# Altium PCB Power Management & Battery Monitor.PcbDoc (continued)
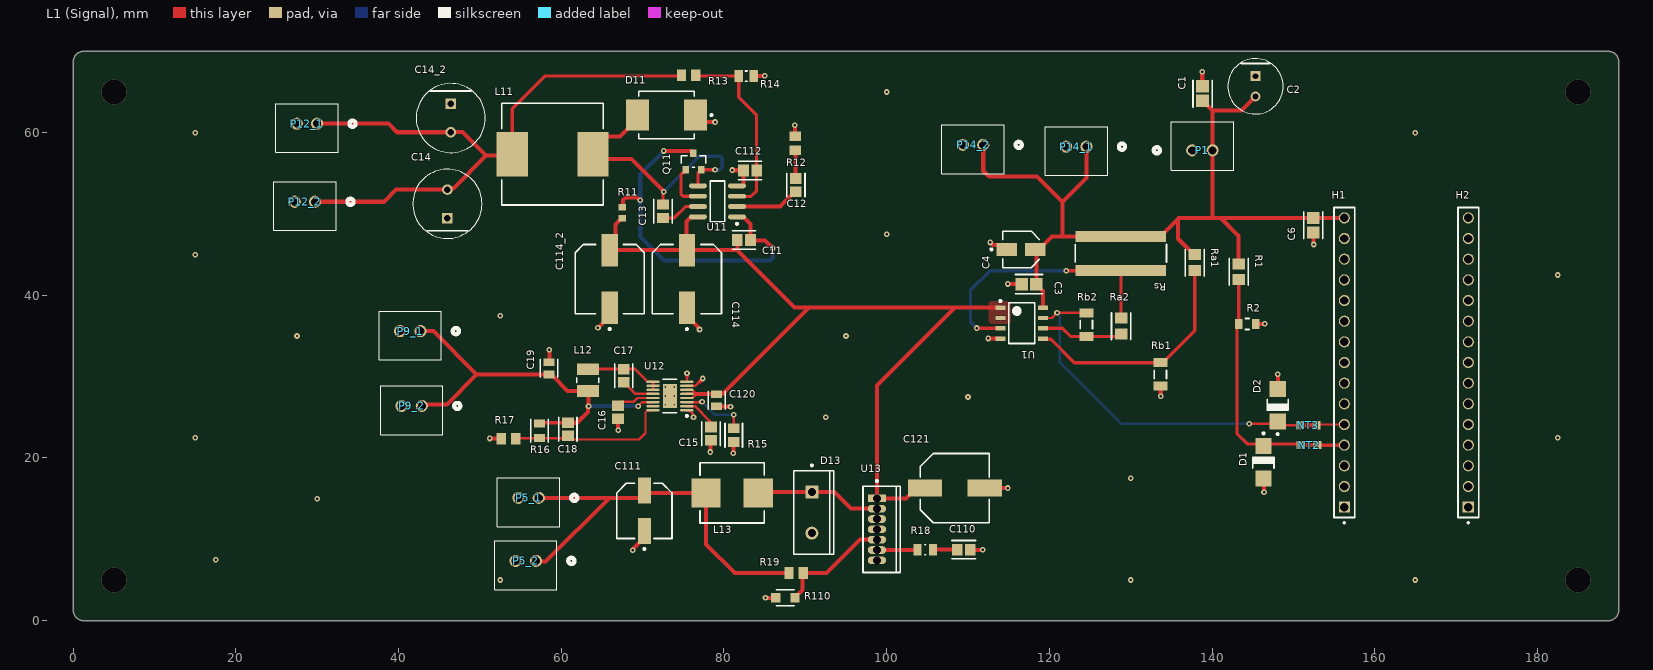
[diagram p0: L1 (Signal) view]
## Footprints (in the part's own frame and the unit in brackets; to place one, negate y for a bottom-side part, rotate by r counter-clockwise, add the part's x,y. Pads: shape width x height; smd on the part's side, far side on the other; paste and mask are expansions set on the pad) (continued)
  silkscreen extent -1.45,-1.13 1.45,1.13, body extent -1.7,-0.98 1.7,0.98, height 0.25
FP-PCC-M0754M-MFG [mm]
  rect 3.6x3.6 smd paste+0 mask+0: 1(-3.2,0) 2(3.2,0)
  silkscreen extent -3.95,-3.7 3.95,3.7, body extent -5.1,-3.8 5.1,3.8, height 0.25
FP-RAD-TH-D_6_3_0_5-L_11-MFG [mm]
  rect 1.2x1.2 hole 0.7 paste-2539.97 mask+0: 1(-1.25,0)
  round 1.2 hole 0.7 paste-2539.97 mask+0: 2(1.25,0)
  silkscreen extent -3.4,-3.4 3.4,3.4, body extent -3.5,-3.5 3.5,3.5, height 0.25
FP-RAD-TH-D_8_0_5-L_11_5-MFG [mm]
  rect 1.3x1.3 hole 0.8 paste-2539.97 mask+0: 1(-1.75,0)
  round 1.3 hole 0.8 paste-2539.97 mask+0: 2(1.75,0)
  silkscreen extent -4.25,-4.25 4.25,4.25, body extent -4.35,-4.35 4.35,4.35, height 0.25
FP-RC0805-0_6-IPC_B [mm]
  rect 1.008x1.362 smd paste+0 mask+0: 1(-0.902,0) 2(0.902,0)
  silkscreen extent -1.41,-1.08 1.41,1.08, body extent -1.66,-0.93 1.66,0.93, height 0.25
FP-RC0805-0_6-MFG [mm]
  rect 0.9x1.2 smd paste+0 mask+0: 1(-1.05,0) 2(1.05,0)
  silkscreen extent -0.23,-0.67 0.23,0.67, body extent -1.6,-0.77 1.6,0.77, height 0.25
FP-RG2012-IPC_A [mm]
  rect 1.355x1.556 smd paste+0 mask+0: 1(-0.976,0) 2(0.976,0)
  silkscreen extent -1.65,-1.18 1.65,1.18, body extent -2.15,-1.28 2.15,1.28, height 0.25
FP-SOT23-MFG [mm]
  rect 0.9x0.8 smd paste+0 mask+0: 1(-1,0.95) 2(-1,-0.95) 3(1,0)
  silkscreen extent -0.7,-1.5 0.7,1.5, body extent -1.55,-1.6 1.55,1.6, height 0.25
LT-MSE-16-EDP_N [mm] "SOP, 16-Leads, Body 4.1x3.1mm, Pitch 0.5mm, Thermal Pad 2.95x1.76mm, IPC Medium Density"
  oval 1.65x0.3 smd: 1(-2.075,1.75) 2(-2.075,1.25) 3(-2.075,0.75) 4(-2.075,0.25) 5(-2.075,-0.25) 6(-2.075,-0.75) 7(-2.075,-1.25) 8(-2.075,-1.75) 9(2.075,-1.75) 10(2.075,-1.25) 11(2.075,-0.75) 12(2.075,-0.25) 13(2.075,0.25) 14(2.075,0.75) 15(2.075,1.25) 16(2.075,1.75)
  rect 1.76x2.95 smd: 17(0,0)
  silkscreen extent -2.2,-2.08 0.85,2.57, body extent -1.55,-2.05 1.55,2.05, height 1.1
LT-S8-8_N [mm] "SOIC, 8-Leads, Body 5x4mm, Pitch 1.27mm, IPC Medium Density"
  oval 2.2x0.6 smd: 1(-2.4,1.905) 2(-2.4,0.635) 3(-2.4,-0.635) 4(-2.4,-1.905) 5(2.4,-1.905) 6(2.4,-0.635) 7(2.4,0.635) 8(2.4,1.905)
  silkscreen extent -2.53,-2.5 0.9,2.88, body extent -2,-2.5 2,2.5, height 1.76
LT-T7-7-S_V [mm] "FM, 7-Leads, Body 10.55x4.6mm, Pitch 1.27mm"
  rect 2.25x0.95 hole 1: 1(0,3.81)
  oval 2.25x0.95 hole 1: 2(0,2.54) 3(0,1.27) 4(0,0) 5(0,-1.27) 6(0,-2.54) 7(0,-3.81)
  silkscreen extent -1.71,-5.3 2.89,6.07, body extent -1.71,-5.28 2.89,5.28, height 15.75
NetTie_SMD [mm]
  rect 1x1 smd mask-10: 1(-1.016,0) 2(1.016,0)
  L1 (Signal) region: -0.762,-0.254 0.762,-0.254 0.762,0.254 -0.762,0.254
ONSC-SMA-2-403D-02_F_V [mm] "Molded, 2-Leads, Body 4.32x2.6mm"
  rect 2x2 smd: 1(-2,0) 2(2,0)
  silkscreen extent -3.67,-1.3 0.74,1.3, body extent -2.16,-1.3 2.16,1.3, height 2.2
ONSC-SMC-2-403-03_V [mil] "Molded, 2-Leads, Body 6.86x5.84mm"
  rect 110x150 smd: 1(-140.49,0) 2(140.49,0)
  silkscreen extent -222,-115 135,115, body extent -135,-115 135,115, height 99
ONSC-TO-220-2-221B-04_E [mm] "FM, 2-Leads, Body 10.3x4.85mm, Pitch 5.08mm"
  rect 1.6x1.6 hole 1: 1(0,2.54)
  round 1.6 hole 1: 3(0,-2.54)
  silkscreen extent -2.2,-5.15 2.7,5.92, body extent -2.18,-5.15 2.67,5.15, height 19.05
PNSC-EEE-FK1E221P_N [mm] "CAPAE, 2-Leads, Body 8.5x8.5mm, IPC Medium Density"
  rect 4.2x2.1 smd: 1(-3.675,0) 2(3.675,0)
  silkscreen extent -4.25,-4.25 4.25,4.25, body extent -5,-4.25 5,4.25, height 10.5
RESC1608X55X30NL15T15 [mm] "Chip Resistor, 2-Leads, Body 1.60x0.80mm, IPC Medium Density"
  rect 0.8x0.95 smd: 1(-0.675,0) 2(0.675,0)
  body extent -0.87,-0.48 0.87,0.48, height 0.55
RESC2013X50X30NL20T20 [mm] "Chip Resistor, 2-Leads, Body 2.00x1.25mm, IPC Medium Density"
  rect 1.05x1.45 smd: 1(-0.925,0) 2(0.925,0)
  silkscreen extent -0.1,-0.63 0.1,0.63, body extent -1.1,-0.72 1.1,0.72, height 0.5
RESC2013X70X40NL20T20 [mm] "Chip Resistor, 2-Leads, Body 2.00x1.25mm, IPC Medium Density"
  rect 1.15x1.45 smd: 1(-0.875,0) 2(0.875,0)
  body extent -1.1,-0.72 1.1,0.72, height 0.7
RESC3216X60X45NL10T20 [mm] "Chip Resistor, 2-Leads, Body 3.20x1.60mm, IPC Medium Density"
  rect 1.1x1.7 smd: 1(-1.45,0) 2(1.45,0)
  silkscreen extent -0.5,-0.75 0.5,0.75, body extent -1.65,-0.85 1.65,0.85, height 0.6
SAMTEC_DW-15-12-G-S-807 [mm]
  rect 1.37x1.37 hole 1.02: 01(0,0)
  round 1.37 hole 1.02: 02(2.54,0) 03(5.08,0) 04(7.62,0) 05(10.16,0) 06(12.7,0) 07(15.24,0) 08(17.78,0) 09(20.32,0) 10(22.86,0) 11(25.4,0) 12(27.94,0) 13(30.48,0) 14(33.02,0) 15(35.56,0)
  silkscreen extent -2.02,-1.27 36.83,1.27

## Part data
C1 C3 C6: library part CMP-00013-1, "Ceramic Capacitor, Multilayer, Ceramic, 25V, 10% +Tol, 10% -Tol, X7R, 15% TC, 0.1uF, Surface Mount, 0805", Capacitor Type=Ceramic, Case/Package=0805, Max Operating Temperature=125°C, Min Operating Temperature=-55°C, Package Shape=Rectangular, Package Style=SMTMeter, Rated DC Voltage (URdc)=25V, Temperature Characteristics Code=X7R, Tolerance  (fill in as +-)=10%, Dielectric Material=Ceramic, Height=0.85mm, JESD-609 Code=e3, Length=2mm, Mounting Technology="Surface Mount", Multilayer=Yes, Packaging="Tape and Reel", Pins=2, Reach SVHC Compliant=Yes, RoHS Compliant=Yes, Terminal Finish=Nickel, Termination=Wraparound, Tolerance (fill in as +-)=10%, Width=1.25mm
C2: library part CMP-00015-1, "Aluminum Electrolytic Capacitor, Polarized, Aluminum (wet), 25V, 20% +Tol, 20% -Tol, 100uF, Through Hole Mount", Capacitor Type=Aluminium, Leakage Current=25uA, Manufacturer Series=FR, Max Operating Temperature=105°C, Min Operating Temperature=-40°C, Package Shape=Cylindrical, Package Style=RadialMeter, Rated DC Voltage (URdc)=25V, Ripple Current=318.5mA, Tolerance  (fill in as +-)=20%, Diameter=6.3mm, Dielectric Material=Aluminium, JESD-609 Code=e3, Length=11.2mm, Mounting Technology="Through Hole", Packaging="Tape and Reel", Pins=2, Polarity=Polarized, Reach SVHC Compliant=Yes, RoHS Compliant=Yes, Series=EEU-FR, Tan Delta=0.14, Terminal Finish=Tin, Terminal Pitch=5mm, Termination=Wire, Tolerance (fill in as +-)=20%
C4: library part CMP-00014-1, "Aluminum Electrolytic Capacitor, Polarized, Aluminum (wet), 25V, 20% +Tol, 20% -Tol, 10uF, Surface Mount, 1717", Capacitor Type=Aluminium, Case/Package=1717, Leakage Current=2.5uA, Max Operating Temperature=105°C, Min Operating Temperature=-55°C, Package Style=SMTMeter, Rated DC Voltage (URdc)=25V, Ripple Current=67.5mA, Tolerance  (fill in as +-)=20%, Dielectric Material=Aluminium, Height=5.8mm, Length=5.5mm, Mounting Technology="Surface Mount", Packaging="Tape and Reel", Pins=2, Polarity=Polarized, Reach SVHC Compliant=Yes, Reference Standard=AEC-Q200, RoHS Compliant=Yes, Tan Delta=0.14, Termination=Flat, Tolerance (fill in as +-)=20%, Width=4.3mm
C11 C15: library part CMP-1036-02979-3, "General Purpose Ceramic Capacitor, 0805, 1nF, 10%, X7R, 0.15, 50V", Capacitance=1nF, Case Code (Imperial)=0805, Case Code (Metric)=2012, Dielectric=X7R, Dielectric Material=Ceramic, Insulation Resistance=100GR, Max Operating Temperature=125°C, Min Operating Temperature=-55°C, Package Quantity=1, Tolerance=10%, Voltage=50V, Case/Package=0805, Contact Plating=Tin, Depth=1.25mm, Dissipation Factor=2.5%, Height=0.94mm, Lead Free="Lead Free", Length=2.01mm, Mount="Surface Mount", Number of Pins=2, Packaging="Tape and Reel", Radiation Hardening=No, REACH SVHC="No SVHC", RoHS Compliant=Yes, Termination=SMD/SMT, Thickness=0.037inch, Voltage Rating=50V, Voltage Rating (DC)=50V, Width=1.25mm
C12: library part CMP-2007-04698-2, "General Purpose Ceramic Capacitor, 0805, 470pF, 10%, X7R, 0.15, 50V", Capacitance=470pF, Case Code (Imperial)=0805, Case Code (Metric)=2012, Dielectric=X7R, Max Operating Temperature=125°C, Min Operating Temperature=-55°C, Package Quantity=1, Tolerance=10%, Voltage=50V, Case/Package=0805, Construction=Flat, Contact Plating=Tin, Depth=1.25mm, Dissipation Factor=2.5%, Height=0.94mm, Lead Free="Lead Free", Length=2.01mm, Mount="Surface Mount", Number of Pins=2, Packaging="Tape and Reel", Radiation Hardening=No, REACH SVHC="No SVHC", RoHS Compliant=Yes, Series=-, Termination=SMD/SMT, Thickness=0.037inch, Voltage Rating=50V, Voltage Rating (DC)=50V, Width=1.25mm
C13: library part CMP-2000-07599-2, "Chip Multilayer Ceramic Capacitors for General Purpose, 0805, 100uF, X5R, 15%, 20%, 6.3V", Capacitance=100uF, Case Code (Imperial)=0805, Case Code (Metric)=2012, Dielectric=X5R, Max Operating Temperature=85°C, Min Operating Temperature=-55°C, Tolerance=20%, Voltage Rating=6.3V, Case/Package=0805, Lead Free="Lead Free", Length=0.079inch, Mount="Surface Mount", Packaging="Cut Tape", REACH SVHC="No SVHC", Thickness=0.057inch, Voltage Rating (DC)=6.3V, Width=0.049inch
C14 C14_2: library part CMP-05427-002079-1, "Aluminum Electrolytic Capacitors (Radial Lead Type) 100uF ±20% 50V", Capacitance=100uF, Case/Package=Radial, ESR (Equivalent Series Resistance)=61mR, Max Operating Temperature=105°C, Min Operating Temperature=-40°C, Package Quantity=200, Ripple Current=870mA, Tolerance=20%, Voltage=50V, Construction=RADIAL, Contact Plating=Tin, Diameter=8mm, Height=11.5mm, Height - Seated (Max)=0.512inch, Impedance=61mR, Lead Diameter=0.6mm, Lead Pitch=3.5mm, Lead/Base Style=Straight, Length=11.5mm, Life (Hours)=6000Hour, Mount="Through Hole", Number of Pins=2, Packaging=Bulk, Radiation Hardening=No, REACH SVHC="No SVHC", Ripple Current (AC)=870mA, RoHS Compliant=Yes, Series=FR, Termination=Radial, Voltage Rating=50V, Voltage Rating (DC)=50V
C16: library part CMP-2007-03236-1, Manufacturer=Kemet, Part Number=C0805C105K5RACTU
C17 C110: library part CMP-2007-04174-2, "General Purpose Ceramic Capacitor, 0805, 100nF, 10%, X7R, 15%, 100V", Capacitance=100nF, Case Code (Imperial)=0805, Case Code (Metric)=2012, Dielectric=X7R, Dielectric Material=Ceramic, Max Operating Temperature=125°C, Min Operating Temperature=-55°C, Package Quantity=2000, Tolerance=10%, Voltage=100V, Case/Package=0805, Construction=Flat, Contact Plating=Tin, Depth=1.25mm, Height=1.4mm, Lead Free="Lead Free", Length=2.01mm, Mount="Surface Mount", Number of Pins=2, Packaging="Tape and Reel", Radiation Hardening=No, REACH SVHC="No SVHC", RoHS Compliant=Yes, Series=-, Termination=SMD/SMT, Thickness=0.055inch, Voltage Rating=100V, Voltage Rating (DC)=100V, Width=0.049inch
C18: library part CMP-2007-00219-2, "Capacitor; Ceramic; Cap 10 pF; Tol 5%; Vol-Rtg 50 VDC; SMT; 0805; COG (NPO); Tape&Reel", Capacitance="10 pF", Manufacturer=KEMET, Package=C0805C-DN, Temperature="-55°C to +125°C", Temperature Characteristic=C0G, Temperature Coefficient=30ppm/°C, Temperature Range High=+125°C, Temperature Range Low=-55°C, Tolerance=0.05, Voltage Rating="50 V", Automotive=No, Category=Cap, ComponentLink2Description=Datasheet, ComponentLink2URL=https://content.kemet.com/datasheets/KEM_C1003_C0G_SMD.pdf, Device Class L1="Passive Components", Device Class L2=Capacitors, Device Class L3="Ceramic Capacitors", Digikey Description="Capacitor; Ceramic; Cap 10 pF; Tol 5%; Vol-Rtg 50 VDC; SMT; 0805; COG (NPO); Tape&Reel", Height=0.88mm, Ipc Land Pattern Name=CAPC200125X78, Lead Free=Yes, Manufacturer Part Number=C0805C100J5GACTU, Material=Ceramic, Mouser Description="KEMET - C0805C100J5GACTU - CAP, MLCC, C0G/NP0, 10PF, 50V, 0805", Octopart=https://octopart.com/c0805c100j5gactu-kemet-104357, RoHS=TRUE
C19: library part CMP-1036-01631-3, "CAP CER 47PF 100V 5% NP0 0805", Capacitance="47 pF", Manufacturer=KEMET, Package=C0805C-DN, Temperature="-55°C to +125°C", Temperature Characteristic=C0G, Temperature Coefficient=30ppm/°C, Temperature Range High=+125°C, Temperature Range Low=-55°C, Tolerance=0.05, Voltage Rating="100 V", Automotive=No, Category=Cap, ComponentLink2Description=Datasheet, ComponentLink2URL=https://content.kemet.com/datasheets/KEM_C1003_C0G_SMD.pdf, Device Class L1="Passive Components", Device Class L2=Capacitors, Device Class L3="Ceramic Capacitors", Digikey Description="CAP CER 47PF 100V 5% NP0 0805", Height=0.88mm, Ipc Land Pattern Name=CAPC200125X78, Lead Free=Yes, Manufacturer Part Number=C0805C470J1GACTU, Material=Ceramic, Mouser Description="Capacitor: ceramic; MLCC; 47pF; 100V; C0G; ±5%; SMD; 0805", Octopart=https://octopart.com/c0805c470j1gactu-kemet-9138638, RoHS=TRUE
C111: library part CMP-00287-19020489-1, "EEEFK0J331XP Aluminum Electrolytic Capacitor, 330 uF, 6.3 V, ± 20%, 2000 hours @ 105°C, Radial Can - SMD", Capacitance=330µF, Case/Package=Radial, ESR (Equivalent Series Resistance)=340mΩ, Leakage Current=3µA, Max Operating Temperature=105°C, Min Operating Temperature=-55°C, Ripple Current=280mA, Tolerance=20%, Voltage=6.3V, Contact Plating=Tin, Diameter=6.3mm, Height=7.7mm, Height - Seated (Max)=8.001mm, Impedance=340mΩ, Lead Free="Lead Free", Length=7.7mm, Life (Hours)=2000hours, Lifecycle Status=Production, Material=Aluminium, Mount="PCB, Surface Mount", NexarPartId=19020489, Number of Pins=2, Packaging="Cut Tape", Polarity=Polar, Radiation Hardening=No, REACH SVHC="No SVHC", Ripple Current (AC)=280mA, RoHS=Compliant, Schedule B="8532220020, 8532220020", Termination=SMD/SMT, Voltage Rating=6.3V, Voltage Rating (DC)=6.3V, Width=7.8mm
C112: library part CMP-2007-04121-2, "General Purpose Ceramic Capacitor, 0805, 100pF, 5%, C0G, 30ppm/°C, 100V", Capacitance=100pF, Case Code (Imperial)=0805, Case Code (Metric)=2012, Dielectric=C0G, Insulation Resistance=100GR, Max Operating Temperature=125°C, Min Operating Temperature=-55°C, Package Quantity=1, Temperature Coefficient=30ppm/°C, Tolerance=5%, Voltage=100V, Case/Package=0805, Construction=Flat, Contact Plating=Tin, Depth=1.25mm, Height=0.94mm, Lead Free="Lead Free", Length=2.01mm, Mount="Surface Mount", Number of Pins=2, Packaging="Tape and Reel", Radiation Hardening=No, REACH SVHC="No SVHC", RoHS Compliant=Yes, Series=-, Size=0.94mm, Termination=SMD/SMT, Thickness=0.037inch, Voltage Rating=100V, Voltage Rating (DC)=100V, Width=0.049inch
C114 C114_2: library part CMP-05427-000080-1, "CAP ALUM 22UF 20% 100V SMD"
C120: library part CMP-2007-01007-2, "CAP CER 4.7UF 10V X5R 0805", Capacitance=4.7uF, Case Code (Imperial)=0805, Case Code (Metric)=2012, Dielectric=X5R, Dielectric Material=Ceramic, Max Operating Temperature=85°C, Min Operating Temperature=-55°C, Package Quantity=1, Tolerance=10%, Voltage=10V, Case/Package=0805, Construction=Flat, Depth=1.25mm, Dissipation Factor=5%, Height=1.25mm, Lead Free="Lead Free", Lead Pitch=0.75mm, Length=2mm, Mount="Surface Mount", Number of Pins=2, Packaging="Tape and Reel", Radiation Hardening=No, REACH SVHC="No SVHC", RoHS Compliant=Yes, Series=C, Termination=SMD/SMT, Thickness=0.055inch, Voltage Rating=10V, Voltage Rating (DC)=10V, Width=1.2mm
C121: library part CMP-1665-00017-3, "Aluminum Electrolytic Capacitor, 220 uF, +/- 20%, 25 V, -55 to 105 degC, 2-Pin CAPAE, RoHS, Tape and Reel", Manufacturer=Panasonic, Max Operating Temperature="105 degC", Min Operating Temperature="-55 degC", Package Quantity=500, Voltage Rating="25 V", ComponentLink1Description="Manufacturer URL", ComponentLink1URL=http://www.panasonic.com/, ComponentLink2Description=Datasheet, ComponentLink2URL=http://industrial.panasonic.com/cdbs/www-data/pdf/RDE0000/ABA0000C1181.pdf, DatasheetVersion=03/2016, Height="10.2 mm", Lead Pitch="3.1 mm", Length="10.2 mm", Mount="Surface Mount", Mounting Technology="Surface Mount", PackageDescription="2-Pin Electrolytic Aluminum Capacitor, Body 8.3 x 8.3 mm", PackageReference=EEE-FK1E221P, Packaging="Tape and Reel", Pins=2, REACH SVHC="No SVHC", RoHSCompliant=true
D1 D2: library part CMP-00018-1, "Zener Diode, 5.1V V(Z), 5%, 0.5W, Silicon, Unidirectional", Max Operating Temperature=150°C, Max Power Dissipation=500mW, Min Operating Temperature=-65°C, Package Body Material=Plastic, Package Shape=Rectangular, Package Style="SMALL OUTLINEMeter", Peak Reflow Temperature (Cel)=260°C, Reference Voltage-Nom=5.1V, Test Current=73.5mA, Time @ Peak Reflow Temperature-Max (s)=40s, Voltage Tol-Max=5%, Diode Element Material=SILICON, Diode Type=ZENER, Dynamic Impedance-Max=4R, JESD-30 Code=R-PDSO-C2, JESD-609 Code=e3, Moisture Sensitivity Level=1, Number of Elements=1, Pins=2, Polarity=Unidirectional, Qualification Status="Not Qualified", Reach SVHC Compliant=No, RoHS Compliant=Yes, Surface Mount=Yes, Technology=ZENER, Terminal Finish=Tin, Terminal Form="C BEND", Terminal Position=DUAL
D11: library part CMP-1055-00380-1, "Schottky Power Rectifier, 2-Pin SMC, Pb-Free, Tape and Reel", Manufacturer="On Semiconductor", ComponentLink1Description="Manufacturer URL", ComponentLink1URL=http://www.onsemi.com/, ComponentLink2Description=Datasheet, ComponentLink2URL=http://www.onsemi.cn/pub_link/Collateral/MBRS340T3-D.PDF, ComponentLink3Description="Package Specification", ComponentLink3URL=http://www.onsemi.com/pub_link/Collateral/403-03.PDF, Configuration=Single, DatasheetVersion="Rev. 11", IFSM Max (A)=80, Mounting Technology="Surface Mount", PackageDescription="2-Pin Small Molded Package, J-Bend Lead, Body 5.845 x 6.855 mm", PackageReference=SMC-2-403-03, PackageVersion="Rev. E, 08/2005", Packing="Tape and Reel", PartNumber=MBRS340T3G, RoHS=TRUE
D13: library part CMP-1055-00594-1, "SWITCHMODE(TM) Power Rectifier, 2-Pin TO-220, Tube", Manufacturer="On Semiconductor", ComponentLink1Description="Manufacturer URL", ComponentLink1URL=http://www.onsemi.com/, ComponentLink2Description=Datasheet, ComponentLink2URL=http://www.onsemi.cn/pub_link/Collateral/MBR735-D.PDF, ComponentLink3Description="Package Specification", ComponentLink3URL=http://www.onsemi.com/pub_link/Collateral/BYW29-D.PDF, Configuration=Single, DatasheetVersion="Rev. 8", IFSM Max (A)=150, Mounting Technology="Through Hole", PackageDescription="2-Pin Flange Mount, Vertical Straight Lead, Body 9.97 x 4.44 mm, Pitch 5.08 mm", PackageReference=TO-220-2-221B-04_E, PackageVersion="Rev. E", Packing=Tube, PartNumber=MBR745, RoHS=FALSE
H1 H2: "Board Connector, 15 Contact(s), 1 Row(s), Female, Straight, 0.1 inch Pitch, Solder Terminal, Locking", Manufacturer=Sullins, Manufacturer Series=PP, Rated Current (Signal)=3A, Supplier Part Number=S7013-ND, Body Breadth=0.094inch, Body Depth=0.334inch, Body Length=1.52inch, Category="Headers and Wire Housings", ComponentLink1Description=https://datasheet.ciiva.com:443/pdfs/VipMasterIC/IC/SUCS/SUCSS00270/SUCSS00270-1.pdf?src-supplier=IHS+Markit, ComponentLink1URL=https://datasheet.ciiva.com:443/pdfs/VipMasterIC/IC/SUCS/SUCSS00270/SUCSS00270-1.pdf?src-supplier=IHS+Markit, ComponentLink2Description=https://media.digikey.com/pdf/Data%20Sheets/Sullins%20PDFs/Female_Headers.100_DS.pdf?src-supplier=Digikey, ComponentLink2URL=https://media.digikey.com/pdf/Data%20Sheets/Sullins%20PDFs/Female_Headers.100_DS.pdf?src-supplier=Digikey, Connector Type="BOARD CONNECTOR", Contact Finish - Mating=SN, Contact Finish - Termination=TIN, Contact Gender=Female, Contact Material=Bronze, Contact Pattern=RECTANGULAR, Contact Style="SQ PIN-SKT", Insulation Material=Polyester, Manufacturer Part Number=PPTC151LFBN-RC, Mating Contact Pitch=0.1inch, Mounting Option 1=LOCKING, Mounting Style=STRAIGHT, Mounting Technology=Board, Number Of Connectors=1, Number of Contacts=15, Number Of PCB Rows=1, Number of Rows Loaded=1, PCB Contact Pattern=RECTANGULAR, Polarization Key="POLARIZED HOUSING", Pricing="1=0.99, 10=0.836, 80=0.75075, 440=0.61425, 1000=0.546, 5000=0.4875 (USD)", Reach SVHC Compliant=Yes, Reference Standard=UL, Reliability=COMMERCIAL, RoHS=Yes, RoHS Compliant=Yes, Stock=14275, Supplier=Digikey, Terminal Length=0.125inch, Terminal Pitch=2.54mm, Termination=Solder
L11: library part CMP-16092-000004-1, "FIXED IND 47UH 2.95A 71.9 MOHM", Case/Package=Nonstandard, Current Rating=2.95A, DC Resistance (DCR)=71.9mR, Inductance=47uH, Inductance Tolerance=20%, Max DC Current=5.28A, Max Operating Temperature=125°C, Min Operating Temperature=-40°C, Package Quantity=350, Self Resonant Frequency=100kHz, Composition=Wirewound, Core Material=Ferrite, Depth=12.5mm, Height=8mm, Height - Seated (Max)=0.315inch, Lead Free="Lead Free", Length=12.5mm, Military Standard=Not, Mount="Surface Mount", Number of Pins=2, Packaging="Tape and Reel", Radiation Hardening=No, REACH SVHC="No SVHC", RMS Current (Irms)=2.95A, Saturation Current=5.28A, Shielding=Shielded, Termination=SMD/SMT, Test Frequency=100kHz, Tolerance=20%, Weight=0.208oz, Width=0.492inch
L12: library part CMP-14484-000123-1, "SMD Inductors 10uH ±20% 0.9A 0.1729Ω 1210", Case Code (Imperial)=1210, Case Code (Metric)=3225, Current Rating=900mA, DC Resistance (DCR)=172.9mR, Inductance=10uH, Inductance Tolerance=20%, Max Operating Temperature=105°C, Min Operating Temperature=-40°C, Package Quantity=1000, Resistor Type=Wirewound, Self Resonant Frequency=23MHz, Test Frequency=100kHz, Case/Package=1210, Core Material=Ferrite, DC Current=900mA, Depth=2.7mm, Halogen Free="Halogen Free", Height=2.5mm, Height - Seated (Max)=0.106inch, Lead Free="Lead Free", Length=3.4mm, Max DC Current=900mA, Military Standard=Not, Mount="Surface Mount", Number of Pins=2, Packaging="Tape and Reel", Radiation Hardening=No, Saturation Current=900mA, Series=CB, Shielding=Unshielded, Termination=SMD/SMT, Tolerance=20%, Width=0.098inch
L13: library part CMP-05439-000008-1, "FIXED IND 47UH 2.9A 172 MOHM SMD", Inductance=48uH, Manufacturer=Panasonic, Package=PCC-M0754M, Rms Current=2.3A, Saturation Current=4.1A, Series Resistance=172mΩ, Temperature="-40°C to +150°C", Temperature Range High=+150°C, Temperature Range Low=-40°C, Test Frequency=100kHz, Tolerance=20%, Automotive=Yes, Automotive Grade="Grade 0", Category=Ind, ComponentLink2Description=Datasheet, ComponentLink2URL=https://industrial.panasonic.com/cdbs/www-data/pdf/AGL0000/AGL0000C59.pdf, Core Material="Metal Composite", Device Class L1="Passive Components", Device Class L2=Inductors, Device Class L3="Fixed Inductors", Digikey Description="FIXED IND 47UH 2.9A 172 MOHM SMD", Height=5.4mm, Lead Free=Yes, Manufacturer Part Number=ETQ-P5M470YFM, Mouser Description="Fixed Inductors PCC 49uH 20% 1A AEC-Q200", Octopart=https://octopart.com/etqp5m470yfm-panasonic-7720762, RoHS=TRUE, Shielding=true, Standoff Height=0.1mm
NT2 NT3: "Net Tie SMD"
P1 P5_1 P5_2 P9_1 P9_2 P12_1 P12_2 P14_1 P14_2: library part B2B-XH-A, "Header B2B-XH-A, 2.50mm, 2-contacts, top entry, THT /1000/box", Manufacturer=JST, Supplier Part Number=455-B2B-XH-A-ND, Category="FFC / FPC", ComponentLink1Description=https://www.distrelec.biz/Web/Downloads/_t/ds/xh-series_eng_tds.pdf?mime=application%2Fpdf&src-supplier=Distrelec, ComponentLink1URL=https://www.distrelec.biz/Web/Downloads/_t/ds/xh-series_eng_tds.pdf?mime=application%2Fpdf&src-supplier=Distrelec, Manufacturer Part Number=B2B-XH-A, Pricing="1=0.15, 10=0.122, 100=0.0898, 500=0.07432, 1000=0.06502, 5000=0.05573, 10000=0.05419 (USD)", RoHS=Yes, Stock=990478, Supplier=Digikey
Q11: library part CMP-12801-000054-1, "MOSFET N-CH 30V 5.8A SOT-23", Continuous Drain Current=4.2A, Drain To Source Breakdown Voltage=30V, Drain To Source Resistance=24mΩ, Gate To Source Voltage=20V, Input Capacitace At Vds="498pF @ 15V", Manufacturer="Diodes Inc.", Max Forward Diode Voltage=1V, Max Junction Temp=+150°C, Package=SOT23, Power Dissipation=0.72W, Pulse Drain Current=30A, Temperature="-55°C to +150°C", Temperature Range Low=-55°C, Typ Forward Diode Voltage=0.75V, Automotive=No, Automotive Grade=NA, Category=Trans, ComponentLink2Description=Datasheet, ComponentLink2URL=https://www.diodes.com/assets/Datasheets/ds31787.pdf, Depletion Mode=False, Device Class L1="Discrete Semiconductors", Device Class L2=Transistors, Device Class L3=MOSFETs, Digikey Description="MOSFET N-CH 30V 5.8A SOT-23", Drain To Source Voltage=30V, Footprint Url=https://www.diodes.com/assets/Package-Files/SOT23.pdf, Gate Charge At Vgs="11.3nC @ 10V", Height=1.1mm, Lead Free=Yes, Manufacturer Part Number=DMN3404L-7, Mouser Description="N-Channel 30 V 28 mOhm Surface Mount Enhancement Mode Mosfet - SOT-23-3", Number Of Channels=1, Number Of N Channels=1, Octopart=https://octopart.com/dmn3404l-7-diodes+inc.-12409285, RoHS=TRUE, Rthja Max=173°C/W, Standoff Height=0.013mm, Temperature Range High=+150°C, Threshold Vgs Max=2V, Threshold Vgs Min=1V, Turn Off Delay Time=13.92ns, Turn On Delay Time=3.41ns
R1 Ra1 Ra2: library part CMP-00008-1, "Fixed Resistor, Thin Film, 0.125W, 120000ohm, 150V, 0.1% +/-Tol, 25ppm/Cel, Surface Mount, 0805", Case/Package=0805, Max Operating Temperature=155°C, Min Operating Temperature=-55°C, Package Height=0.4mm, Package Length=2mm, Package Width=1.25mm, Power=250mW, Rated Temperature=70°C, Resistor Type="FIXED RESISTOR", Temperature Coefficient (ppm/Cel)=25, Tolerance=0.1%, Working Voltage=150V, Additional Feature="ANTI-SULFUR, PRECISION", Construction=Rectangular, JESD-609 Code=e3, Mounting Technology="Surface Mount", Packaging="Tape and Reel", Pins=2, Reach SVHC Compliant=Yes, Reference Standard=AEC-Q200, RoHS Compliant=Yes, Technology="THIN FILM", Terminal Finish=Nickel, Termination=Wraparound
R2: library part CMP-00010-1, "Fixed Resistor, Metal Glaze/thick Film, 0.125W, 22000ohm, 150V, 1% +/-Tol, 100ppm/Cel, Surface Mount, 0805", Case/Package=0805, Max Operating Temperature=155°C, Min Operating Temperature=-55°C, Package Height=0.5mm, Package Length=2mm, Package Shape=Rectangular, Package Width=1.25mm, Power=125mW, Rated Temperature=70°C, Resistor Type="FIXED RESISTOR", Temperature Coefficient (ppm/Cel)=100, Tolerance=1%, Working Voltage=150V, Additional Feature="LASER TRIMMABLE", Construction=Chip, JESD-609 Code=e3, Mounting Technology="Surface Mount", Packaging="Tape and Reel", Pins=2, Reach SVHC Compliant=Yes, RoHS Compliant=Yes, Technology="METAL GLAZE/THICK FILM", Terminal Finish=Nickel, Termination=Wraparound
R11: library part CMP-2000-00177-1, Manufacturer=Panasonic, Part Number=ERJ3BWFR068V
R12: library part CMP-2001-00441-1, Manufacturer=Panasonic, Part Number=ERJ-6GEYJ682V
R13: library part CMP-2001-00148-1, Manufacturer=Panasonic, Part Number=ERJ-6ENF3572V
R14: library part CMP-2001-03888-1, Manufacturer="Vishay Dale", Part Number=CRCW08053K92FKEA
R15: library part CMP-2001-00583-2, "RES 100K OHM 0.1% 1/8W 0805", Case Code (Imperial)=0805, Case Code (Metric)=2012, Max Operating Temperature=155°C, Max Power Dissipation=125mW, Min Operating Temperature=-55°C, Package Quantity=1, Resistance=100kR, Resistance Tolerance=0.1%, Resistor Type="Thin Film", Temperature Coefficient=25ppm/°C, Voltage Rating=100V, Case/Package=0805, Construction=Rectangular, Contact Plating=Tin, Depth=1.25mm, Features="Automotive AEC-Q200", Height=0.5mm, Lead Free="Lead Free", Length=2mm, Military Standard=Not, Mount="Surface Mount", Number of Pins=2, Number of Terminations=2, Packaging="Tape and Reel", Power Rating=125mW, Radiation Hardening=No, REACH SVHC="No SVHC", RoHS Compliant=Yes, Series=ERA-6A, Size Code=0805, Technology="METAL FILM", Termination=Solder, Tolerance=0.1%, Voltage Rating (DC)=100V, Width=1.25mm
R16: library part CMP-2100-03668-5, "RES 100K OHM 1% 1/8W 0805", Case Code (Imperial)=0805, Case Code (Metric)=2012, Max Operating Temperature=155°C, Max Power Dissipation=125mW, Min Operating Temperature=-55°C, Package Quantity=1, Resistance=100kR, Resistance Tolerance=1%, Resistor Type="Thick Film", Temperature Coefficient=100ppm/°C, Voltage Rating=150V, Case/Package=0805, Construction=Rectangular, Depth=1.25mm, Features="Moisture Resistant", Height=0.024inch, Lead Free="Lead Free", Lead Pitch=0.4mm, Length=0.079inch, Military Standard=Not, Number of Pins=2, Number of Terminations=2, Packaging="Tape and Reel", Power Rating=125mW, RoHS Compliant=Yes, Series=RC, Size Code=0805, Technology="THICK FILM", Termination=SMD/SMT, Tolerance=1%, Voltage Rating (DC)=150V, Width=0.049inch
R17: library part CMP-2001-04408-1, Manufacturer=Panasonic, Part Number=ERJ-6ENF1243V
R18: library part CMP-2001-03755-2, "RES Thick Film, 2kΩ, 1%, 0.125W, 100ppm/°C, 0805", Case Code (Imperial)=0805, Case Code (Metric)=2012, Max Operating Temperature=155°C, Max Power Dissipation=125mW, Min Operating Temperature=-55°C, Package Quantity=10, Resistance=2kR, Temperature Coefficient=100ppm/°C, Tolerance=1%, Voltage Rating=150V, Case/Package=0805, Composition="Thick Film", Contact Plating=Tin, Depth=1.25mm, Features="Automotive AEC-Q200", Height=0.02inch, Lead Free="Lead Free", Length=2mm, Military Standard=Not, Mount="Surface Mount", Number of Pins=2, Number of Terminals=2, Number of Terminations=2, Packaging="Tape and Reel", Power Rating=125mW, Radiation Hardening=No, Termination=SMD/SMT, Voltage Rating (DC)=150V, Weight=0.000194oz, Width=1.25mm, Working Voltage=150V
R19: library part CMP-2001-00098-1, Manufacturer=Panasonic, Part Number=ERJ-6ENF2801V
R110: library part CMP-1013-00547-3, Case Code (Imperial)=0805, Case Code (Metric)=2012, Max Operating Temperature=155°C, Max Power Dissipation=125mW, Min Operating Temperature=-55°C, Resistance=2.21kΩ, Temperature Coefficient=100ppm/°C, Tolerance=1%, Voltage Rating=150V, Case/Package=0805, Composition="Thick Film", Contact Plating=Tin, Depth=1.25mm, Height=700µm, Lead Free="Lead Free", Length=2mm, Lifecycle Status=Production, Military Standard=Not, Mount="Surface Mount", NexarPartId=55422515, Number of Terminations=2, Packaging="Cut Tape", Power Rating=125mW, Radiation Hardening=No, REACH SVHC=Unknown, RoHS=Compliant, Schedule B="8533210045, 8533210045", Termination=SMD/SMT, Voltage Rating (DC)=150V, Width=1.2446mm
Rb1 Rb2: library part CMP-00011-1, "Fixed Resistor, Metal Glaze/thick Film, 0.25W, 3000000ohm, 200V, 1% +/-Tol, 100ppm/Cel, Surface Mount, 1206", Case/Package=1206, Max Operating Temperature=155°C, Min Operating Temperature=-55°C, Package Height=0.55mm, Package Length=3.2mm, Package Shape=Rectangular, Package Width=1.6mm, Power=250mW, Rated Temperature=70°C, Resistor Type="FIXED RESISTOR", Temperature Coefficient (ppm/Cel)=100, Tolerance=1%, Working Voltage=200V, Additional Feature="RATED AC VOLTAGE (V): 200", Construction=Chip, JESD-609 Code=e3, Mounting Technology="Surface Mount", Packaging="Tape and Reel", Pins=2, Reach SVHC Compliant=Yes, Reference Standard=AEC-Q200, RoHS Compliant=Yes, Technology="METAL GLAZE/THICK FILM", Terminal Finish=Nickel, Termination=Wraparound
Rs: library part CMP-00017-1, "Fixed Resistor, Metal Foil, 5W, 0.01ohm, 1% +/-Tol, 50ppm/Cel, Surface Mount, 4320", Case/Package=4320, Max Operating Temperature=155°C, Min Operating Temperature=-55°C, Package Height=0.5mm, Package Length=11mm, Package Width=5mm, Power=5W, Rated Temperature=70°C, Resistor Type="FIXED RESISTOR", Temperature Coefficient (ppm/Cel)=50, Tolerance=1%, Construction=Rectangular, Mounting Technology="Surface Mount", Packaging="Tape and Reel", Pins=2, Reach SVHC Compliant=Yes, RoHS Compliant=Yes, Technology="METAL FOIL", Termination=Wraparound
U1: library part CMP-00016-1, "Operational Amplifier, 2 Func, 25uV Offset-Max, BIPolar, PDSO8", Bias Current-Max (IIB) @25C=20pA, Case/Package=SOP, Frequency Compensation=YES, Input Offset Voltage-Max=75uV, Max Operating Temperature=125°C, Max Supply Current=3mA, Min Operating Temperature=-40°C, Neg Supply Voltage Limit-Max=-20V, Package Body Material=Plastic, Package Equivalence Code=SOP8,.25, Package Shape=Rectangular, Package Style="SMALL OUTLINEMeter", Peak Reflow Temperature (Cel)=260°C, Power Supplies=+-2.25/+-18/4.5/36V, Supply Voltage Limit-Max=20V, Temperature Grade=AUTOMOTIVE, Voltage Gain-Min=100000, Amplifier Type="OPERATIONAL AMPLIFIER", Architecture=VOLTAGE-FEEDBACK, Channels=2, Height - Seated (Max)=1.75mm, JESD-30 Code=R-PDSO-G8, JESD-609 Code=e4, Length=4.9mm, Low-Bias=Yes, Low-Offset=Yes, Moisture Sensitivity Level=2, Pins=8, Qualification Status="Not Qualified", Reach SVHC Compliant=Yes, RoHS Compliant=Yes, Surface Mount=Yes, Technology=BIPOLAR, Terminal Finish=Nickel, Terminal Form="Gull Wing", Terminal Pitch=1.27mm, Terminal Position=DUAL, Width=3.91mm
U11: library part CMP-0492-01970-1, "High Efficiency N-Channel Switching Regulator Controller, 8-pin SOIC (S8-8), 0 to 70 degC, Pb-Free", Manufacturer="Linear Technology", ComponentLink1Description="Manufacturer URL", ComponentLink1URL=http://www.linear.com/, ComponentLink2Description=Datasheet, ComponentLink2URL=http://cds.linear.com/docs/en/datasheet/1624f.pdf, ComponentLink3Description="Package Specification", ComponentLink3URL=http://cds.linear.com/docs/en/packaging/05081610_G_SO8.pdf, Mounting Technology="Surface Mount", Number of Outputs=1, PackageDescription="8-Pin Plastic Small Outline (Narrow .150 Inch), Body 4.9 x 3.9 mm, Pitch 1.27 mm", PackageReference=S8-8, PackageVersion="Rev. G, 03/2012", PartNumber=LTC1624CS8#PBF, RoHS=TRUE
U12: library part CMP-0491-01208-1, "2.5 A Synchronous Step-Down Regulator 2.5 uA Quiescent Current, 16-pin SOP (MSE-16-EDP), -40 to 125 degC, Pb-Free", Frequency Adjust Range="200kHz - 2.2MHz", Manufacturer="Linear Technology", ComponentLink1Description="Manufacturer URL", ComponentLink1URL=http://www.linear.com/, ComponentLink2Description=Datasheet, ComponentLink2URL=http://cds.linear.com/docs/en/datasheet/8610f.pdf, ComponentLink3Description="Package Specification", ComponentLink3URL=http://cds.linear.com/docs/en/packaging/05081667_F_MSE16.pdf, Mounting Technology="Surface Mount", Number of Outputs=1, PackageDescription="16-Pin Plastic MSOP, Exposed Die Pad, Body 4.039 x 3 mm, Pitch 0.5 mm", PackageReference=MSE-16, PackageVersion="Rev. F, 05/2013", PartNumber=LT8610IMSE#PBF, RoHS=TRUE
U13: library part CMP-0491-02081-1, "Step-Down Switching Regulator, 7-pin FM (T7-7), -40 to 85 degC, Pb-Free", Manufacturer="Linear Technology", ComponentLink1Description="Manufacturer URL", ComponentLink1URL=http://www.linear.com/, ComponentLink2Description=Datasheet, ComponentLink2URL=http://cds.linear.com/docs/en/datasheet/1074fds.pdf, ComponentLink3Description="Package Specification", ComponentLink3URL=http://www.linear.com/docs/en/packaging/TO-220_7_05-08-1422_STRAIGHT_LEAD.pdf, DatasheetVersion="Rev. D", Mounting Technology="Through Hole", Number of Outputs=1, PackageDescription="7-Pin Plastic TO-220 (Straight Lead), Body 10.224 x 4.382 mm, Pitch 1.27 mm", PackageReference=T7-7, PackageVersion=Jun-10, PartNumber=LT1074IT7#PBF, RoHS=TRUE

## Free pads (board coordinates)
  round 3.1 hole 3.1: 3(5,65) 4(5,5) 5(185,5) 6(185,65)

## Via types
v1: diameter 0.7, hole 0.3, L1 (Signal) to L4 (Signal), 58 vias
v2: diameter 0.5, hole 0.2, L1 (Signal) to L4 (Signal), 6 vias
v3: diameter 0.7, hole 0.3, L1 (Signal) to L4 (Signal), tented top, 2 vias

## Nets (pads, with @x,y where several pads share a name; then routed paths per layer and width w, separated by ;. In a path a pad name is that pad's centre, name@x,y a point inside that pad or via, vN(x,y) a via of type N, cw(c..) or ccw(c..) an arc to the next point about the centre after c; other vN are vias at no path point)
4: H1.04 NT2.2 | length 3.3
  L1 (Signal) w0.4: NT2.2 152.944,21.577 156.268,21.577 H1.04
5: H1.05 NT3.2 | length 3.5
  L1 (Signal) w0.3: NT3.2 152.927,24.12 H1.05
5V_out: C111.2 L13.2 P5_1.1 P5_2.1 R19.2 | length 50.9
  L1 (Signal) w0.5: P5_2.1 56.96,7.265 58.081,7.265 65.916,15.1 ; P5_1.1 65.916,15.1 ; C111.2 70.2,15.65 69.65,15.1 65.916,15.1 ; C111.2@70.8,15.7 L13.2 77.8,9.375 81.325,5.85 R19.2
9V_out: C18.1 C19.1 L12.2 P9_1.1 P9_2.1 R16.2 U12.14 | length 48.6
  L1 (Signal) w0.3: R16.2@57.3,24.26 R16.2@57.372,24.332 ; v1@63.27,26.187 63.34,26.256 v1@63.34,26.375 ; v1(69.45,26.375) 69.95,26.875 U12.14
  L1 (Signal) w0.4: R16.2@57.372,24.332 C18.1@60.793,24.332
  L1 (Signal) w0.5: P9_1.1 44.275,35.6 49.6,30.275 ; P9_2.1 43.041,26.591 45.916,26.591 49.6,30.275 ; C19.1 49.6,30.275 ; C19.1@58.95,30.075 60.777,28.248 L12.2 ; C18.1@60.807,24.332 61.947,24.332 63.27,25.655 v1@63.27,26.187 ; v1@63.347,26.378 L12.2@63.347,28.155
  L4 (Signal) w0.5: v1(63.35,26.375) v1(69.45,26.375)
12V_out: C14.2 C14_2.2 L11.2 P12_1.1 P12_2.1 R13.2 | length 77.5
  L1 (Signal) w0.4: L11.2@53.951,57.351 53.951,62.921 58.001,66.971 74.689,66.971 R13.2
  L1 (Signal) w0.5: P12_2.1 38.175,51.5 39.675,53 C14.2 ; P12_2.1@29.746,51.521 P12_2.1@29.946,51.521 ; P12_1.1 38.75,61.1 39.8,60.05 C14_2.2 ; C14.2@46,53.019 46.134,53.153 46.672,53.153 46.719,53.2 46.78,53.2 50.751,57.171 ; C14_2.2@46.204,60.071 C14_2.2@46.379,60.071 ; C14_2.2@46.421,60.071 47.851,60.071 50.751,57.171 ; L11.2@53.931,57.35 53.751,57.171 50.751,57.171
GND: C1.2 C2.1 C3.2 C4.1 C6.2 C14.1 C14_2.1 C15.1 C16.1 C19.2 C110.2 C111.1 C112.2 C114.1 C114_2.1 C120.2 C121.2 D1.2 D2.2 D11.1 D13.3 H1.14 H2.12 P1.1 P5_1.2 P5_2.2 P9_1.2 P9_2.2 P12_1.2 P12_2.2 P14_1.2 P14_2.2 R2.2 R12.1 R14.1 R15.1 R17.1 R110.1 Rb1.2 U1.4 U11.4 U12.1 U12.7 U12.8 U13.4 | length 52.8
  L1 (Signal) w0.3: U12.8@75.4,29.375 U12.8 75.45,29.375 75.45,29.875 ; U12.1 cw(c75.425,25.05) 76.25,25.05 v1(76.25,25) ; U12.7 76.5,28.875 76.85,29.225 ; U1.4@113.972,34.672 U1.4 ; R2.2 R2.2@145.4,36.5 ; D1.2 D1.2@146.4,17.4
  L1 (Signal) w0.4: C114.1@65.95,37.45 C114.1 ; 75.45,29.875 v3@75.45,30.15 ; 76.85,29.225 77.025,29.4 ; R15.1@81.175,21.924 R15.1 ; U11.4 82.302,53.455 U11.4@82.394,53.547
  L1 (Signal) w0.5: v1(51.2,22.4) 51.213,22.387 52.612,22.387 R17.1 ; C19.2@58.525,32 v1(58.525,33.3) ; v1(64.5,36) C114.1@65.95,37.45 ; C16.1 66.988,24.787 66.988,23.412 v1(67,23.4) ; v1(68.775,8.675) 68.813,8.713 68.813,8.813 70.2,10.2 C111.1 ; v3@75.45,30.15 v3(75.45,30.425) ; C114_2.1 75.45,37.45 76.962,35.938 76.962,35.838 v1(77,35.8) ; D11.1 77.35,61.3 v1(78.9,61.3) ; 77.025,29.4 v3(77.4,29.775) ; v1(78.325,20.731) 78.363,20.768 78.363,22.157 C15.1 ; C120.2 79.15,26.3 79.175,26.325 80.775,26.325 v1(80.8,26.3) ; v1(81,55.4) 81.025,55.375 82.369,55.375 C112.2 U11.4@82.394,53.547 ; v1(81.125,20.576) 81.163,20.613 81.163,21.912 R15.1@81.175,21.924 ; R14.1 83.675,66.975 84.975,66.975 v1(85,67) ; v1(85.1,2.8) 85.112,2.812 86.363,2.812 R110.1 ; v1(88.7,60.9) 88.725,60.875 88.725,59.6 R12.1 ; C110.2 110.293,8.712 111.788,8.712 v1(111.8,8.7) ; C121.2 v1(114.9,16.3) ; v1(112.5,34.7) 112.515,34.685 113.96,34.685 U1.4@113.972,34.672 ; v1(112.75,46.5) 112.804,46.5 113.104,46.2 114.225,46.2 C4.1 ; v1(114.9,41.4) 116.573,41.4 C3.2 ; Rb1.2 133.7,28.775 v1(133.7,27.6) ; v1(138.8,67.5) 138.8,65.751 C1.2 ; R2.2@145.4,36.5 v1(146.5,36.5) ; v1(146.4,15.8) D1.2@146.4,17.4 ; D2.2 148.1,28.5 v1(148.1,30.3) ; C6.2 152.5,47.678 v1(152.5,46.25)
  other v1: 52.5,5 130,5 165,5 17.5,7.5 30,15 130,17.5 15,22.5 182.5,22.5 92.5,25 110,27.5 27.5,35 95,35 52.5,37.5 182.5,42.5 15,45 100,47.5 15,60 165,60 100,65
NetC11_2: C11.2 Q11.3 R11.2 U11.1 | length 44
  L1 (Signal) w0.5: R11.2 67.573,50.898 67.573,51.7 67.924,52.051 69.321,52.051 69.673,51.7 v1(69.7,51.7) ; v1(72.6,57.75) 75.95,57.75 76.1,57.6 76.15,57.6 76.25,57.5 Q11.3 ; U11.1@82.4,49.645 83.256,48.789 C11.2 83.306,46.75 85.05,46.75 v1(86,45.8)
  L4 (Signal) w0.5: v1(72.6,57.75) 69.7,54.85 v1(69.7,51.7) 69.7,47.25 72.65,44.3 85.649,44.3 86,44.651 v1(86,45.8)
NetC12_1: C12.1 U11.2 | length 8
  L1 (Signal) w0.5: U11.2 86.914,50.915 88.749,52.75 C12.1
NetC12_2: C12.2 R12.2 | length 3.5
  L1 (Signal) w0.5: R12.2 88.787,57.787 88.787,54.399 C12.2
NetC13_1: C13.1 U11.7 | length 4.9
  L1 (Signal) w0.4: C13.1 73.848,49.498 75.265,50.915 U11.7
NetC13_2: C13.2 D11.2 L11.1 Q11.2 U11.5 | length 38.6
  L1 (Signal) w0.4: L11.1@64.5,56.75 L11.1 63.9,58.175 L11.1@65.625,59.9 ; D11.2@69.363,61.642 D11.2 ; C13.2 72.5,52.569 72.6,52.669 v1(72.6,52.75) ; U11.5 76.8,55 77.2,55.4 Q11.2 v1(78.9,55.45)
  L1 (Signal) w0.5: L11.1 63.9,57.825 65.575,59.5 67.221,59.5 D11.2@69.363,61.642 ; L11.1@64.5,56.75 68.6,56.75 v1(72.6,52.75)
  L4 (Signal) w0.4: v1(72.6,52.75) 76.95,57.1 79.566,57.1 79.8,56.866 79.8,55.8 79.45,55.45 v1(78.9,55.45)
NetC15_2: C15.2 U12.2 | length 4.4
  L1 (Signal) w0.3: U12.2 76.425,26.375 78.3,24.5 78.3,23.906 C15.2
NetC16_2: C16.2 U12.13 | length 4.7
  L1 (Signal) w0.3: C16.2 67.475,26.9 68.875,26.9 69.35,27.375 U12.13
NetC17_1: C17.1 U12.12 | length 4.2
  L1 (Signal) w0.3: C17.1 67.751,29.319 68.253,28.817 68.253,28.741 69.119,27.875 U12.12
NetC17_2: C17.2 L12.1 U12.9 U12.10 U12.11 | length 9.7
  L1 (Signal) w0.3: 70.275,29.7 70.6,29.375 U12.9 U12.10 U12.11
  L1 (Signal) w0.35: L12.1 63.281,30.931 C17.2 69.044,30.931 70.275,29.7
NetC18_2: C18.2 R16.1 R17.2 U12.16 | length 20.2
  L1 (Signal) w0.3: R17.2 54.446,22.446 R16.1 60.523,22.446 C18.2 61.248,22.275 69.55,22.275 70.35,23.075 70.35,25.625 70.6,25.875 U12.16
NetC110_1: C110.1 R18.2 | length 3
  L1 (Signal) w0.5: R18.2 C110.1
NetC112_1: C112.1 R13.1 R14.2 U11.3 | length 23
  L1 (Signal) w0.4: R13.1 76.627,66.95 R14.2 81.8,64.35 84.006,62.144 C112.1 84.006,52.856 83.3,52.15 81.635,52.15 U11.3
NetD13_1: D13.1 L13.1 U13.2 | length 15.5
  L1 (Signal) w0.5: L13.1 84.34,15.84 D13.1 93.56,15.84 95.635,13.765 U13.2
NetQ11_1: Q11.1 U11.6 | length 5.5
  L1 (Signal) w0.4: Q11.1 75.3,55.4 74.7,54.8 74.7,52.45 74.965,52.185 U11.6
NetR15_2: R15.2 U12.3 | length 8.1
  L1 (Signal) w0.3: U12.3 77.275,26.875 v1(77.3,26.9) ; R15.2 v1(81.2,25.3)
  L4 (Signal) w0.3: v1(77.3,26.9) 78.9,25.3 v1(81.2,25.3)
NetR18_1: R18.1 U13.6 | length 5
  L1 (Signal) w0.5: U13.6 98.82,8.705 R18.1@103.778,8.705
NetR19_1: R19.1 R110.2 U13.5 | length 14.2
  L1 (Signal) w0.5: R110.2 89.675,3.775 89.675,5.775 R19.1 92.6,5.85 96.705,9.955 U13.5
V5: Ra1.2 Rb1.1 U1.5 | length 29.1
  L1 (Signal) w0.4: U1.5 119.3,34.595 120.205,34.595 123.075,31.725 133.15,31.725 133.4,31.475 Rb1.1 133.95,31.725 137.875,35.65 Ra1.2
V6: Ra2.2 Rb2.1 U1.6 | length 10.1
  L1 (Signal) w0.4: U1.6 121.61,35.94 122.6,34.95 Rb2.1 128.526,34.95 Ra2.2
V_battery: C1.1 C2.2 C3.1 C4.2 C6.1 H1.15 P1.2 P14_1.1 P14_2.1 R1.1 Ra1.1 Rs.1 U1.8 | length 106.6
  L1 (Signal) w0.5: P14_2.1 111.875,55.3 112.575,54.6 118.5,54.6 121.625,51.475 ; U1.8 119.225,40.524 118.4,41.349 C3.1 118.4,45.525 C4.2 118.725,45.65 120.301,47.226 121.625,47.226 ; P14_1.1 124.575,54.425 121.625,51.475 ; 135.875,49.52 140.05,49.52 ; Ra1.1 137.774,45.001 135.82,46.955 135.82,49.37 133.676,47.226 Rs.1 121.625,47.226 ; C1.1 138.866,63.909 140.07,62.705 ; R1.1 143.275,47.32 141.075,49.52 ; C2.2 143.605,62.705 140.07,62.705 ; H1.15 C6.1 141.075,49.52 ; 121.625,47.226 121.625,51.475 ; 140.05,49.52 141.075,49.52 ; 140.05,49.52 140.07,49.54 P1.2 140.07,62.705
Vload1: Ra2.1 Rs.2 U1.3 | length 33.3
  L1 (Signal) w0.4: v1(111.075,35.975) 111.093,35.957 113.958,35.957 U1.3 ; v1(122.075,43.025) 128.751,43.025 Rs.2 128.8,37.226 Ra2.1
  L4 (Signal) w0.4: v1(111.075,35.975) 110.3,36.75 110.3,40.6 112.725,43.025 v1(122.075,43.025)
Vload2: C11.1 C114.2 C114_2.2 C120.1 C121.1 R11.1 U1.1 U1.2 U11.8 U12.4 U12.5 U12.6 U13.1 | length 116.6
  L1 (Signal) w0.3: U12.4 76.1,27.375 76.424,27.699 76.6,27.875 ; U12.5 76.6,27.875 ; U12.6 76.1,28.375 76.6,27.875
  L1 (Signal) w0.45: 76.6,27.875 77.1,27.875
  L1 (Signal) w0.5: C114.2 65.994,45.594 C114_2.2@75.406,45.594 ; C114.2@66.65,46.25 66.65,48.7 R11.1@67.425,49.475 ; U11.8 76.767,49.612 75.967,49.612 75.406,49.051 C114_2.2@75.406,45.594 ; 77.1,27.875 79.825,27.875 90.43,38.48 108.375,38.48 ; C11.1 81.644,45.55 ; 90.43,38.5 88.65,38.5 81.644,45.506 81.644,45.55 ; C121.1@104.175,16.825 102.385,15.035 U13.1 98.8,28.905 108.375,38.48 ; U1.1 108.375,38.48 ; C114_2.2@75.406,45.594 C114_2.2 81.644,45.55
Vout1: D1.1 NT2.1 R1.2 R2.1 | length 27.6
  L1 (Signal) w0.4: R1.2 R2.1 143.075,36.275 143.075,22.975 144.325,21.725 146.075,21.725 D1.1 ; D1.1@146.325,21.725 150.759,21.725 NT2.1
Vout2: D2.1 NT3.1 Rb2.2 U1.7 | length 44.7
  L1 (Signal) w0.3: U1.7 120.31,37.21 v1(120.95,37.85) Rb2.2 ; v1(144.575,24.225) 147.825,24.225 D2.1 148.525,24.025 NT3.1
  L4 (Signal) w0.3: v1(120.95,37.85) 120.95,37.824 121.3,37.474 121.3,31.75 128.825,24.225 v1(144.575,24.225)
pads on no net: H1.01 H1.02 H1.03 H1.06 H1.07 H1.08 H1.09 H1.10 H1.11 H1.12 H1.13 H2.01 H2.02 H2.03 H2.04 H2.05 H2.06 H2.07 H2.08 H2.09 H2.10 H2.11 H2.13 H2.14 H2.15 U12.15 U12.17 U13.3 U13.7
copper on no net:
  other v2: 72.8,26.525 73.9,26.525 72.8,27.625 73.9,27.625 72.8,28.725 73.9,28.725

## Polygon pours and split planes (outlines as drawn)
Vload2 on L1 (Signal) "VLOAD2_L01_P022" (solid, pour order 22): 112.825,39.275 112.525,39.075 112.525,36.775 112.825,36.475 114.925,36.475 115.225,36.675 115.225,38.975 114.825,39.275
GND on L2 (GND) "GND_L02_P024" (solid, pour order 24): 188,1 ccw(c188,2) 189,2 189,68 ccw(c188,68) 188,69 2,69 ccw(c2,68) 1,68 1,2 ccw(c2,2) 2,1 182,1
GND on L3 (GND) "GND_L03_P025" (solid, pour order 25): 187.998,1 ccw(c187.998,2) 188.998,2 188.998,68 ccw(c187.998,68) 187.998,69 1.998,69 ccw(c1.998,68) 0.998,68 0.998,2 ccw(c1.998,2) 1.998,1 181.998,1